# Altium PCB Copy of PCB1.PcbDoc (part 1 of 3) (continued)
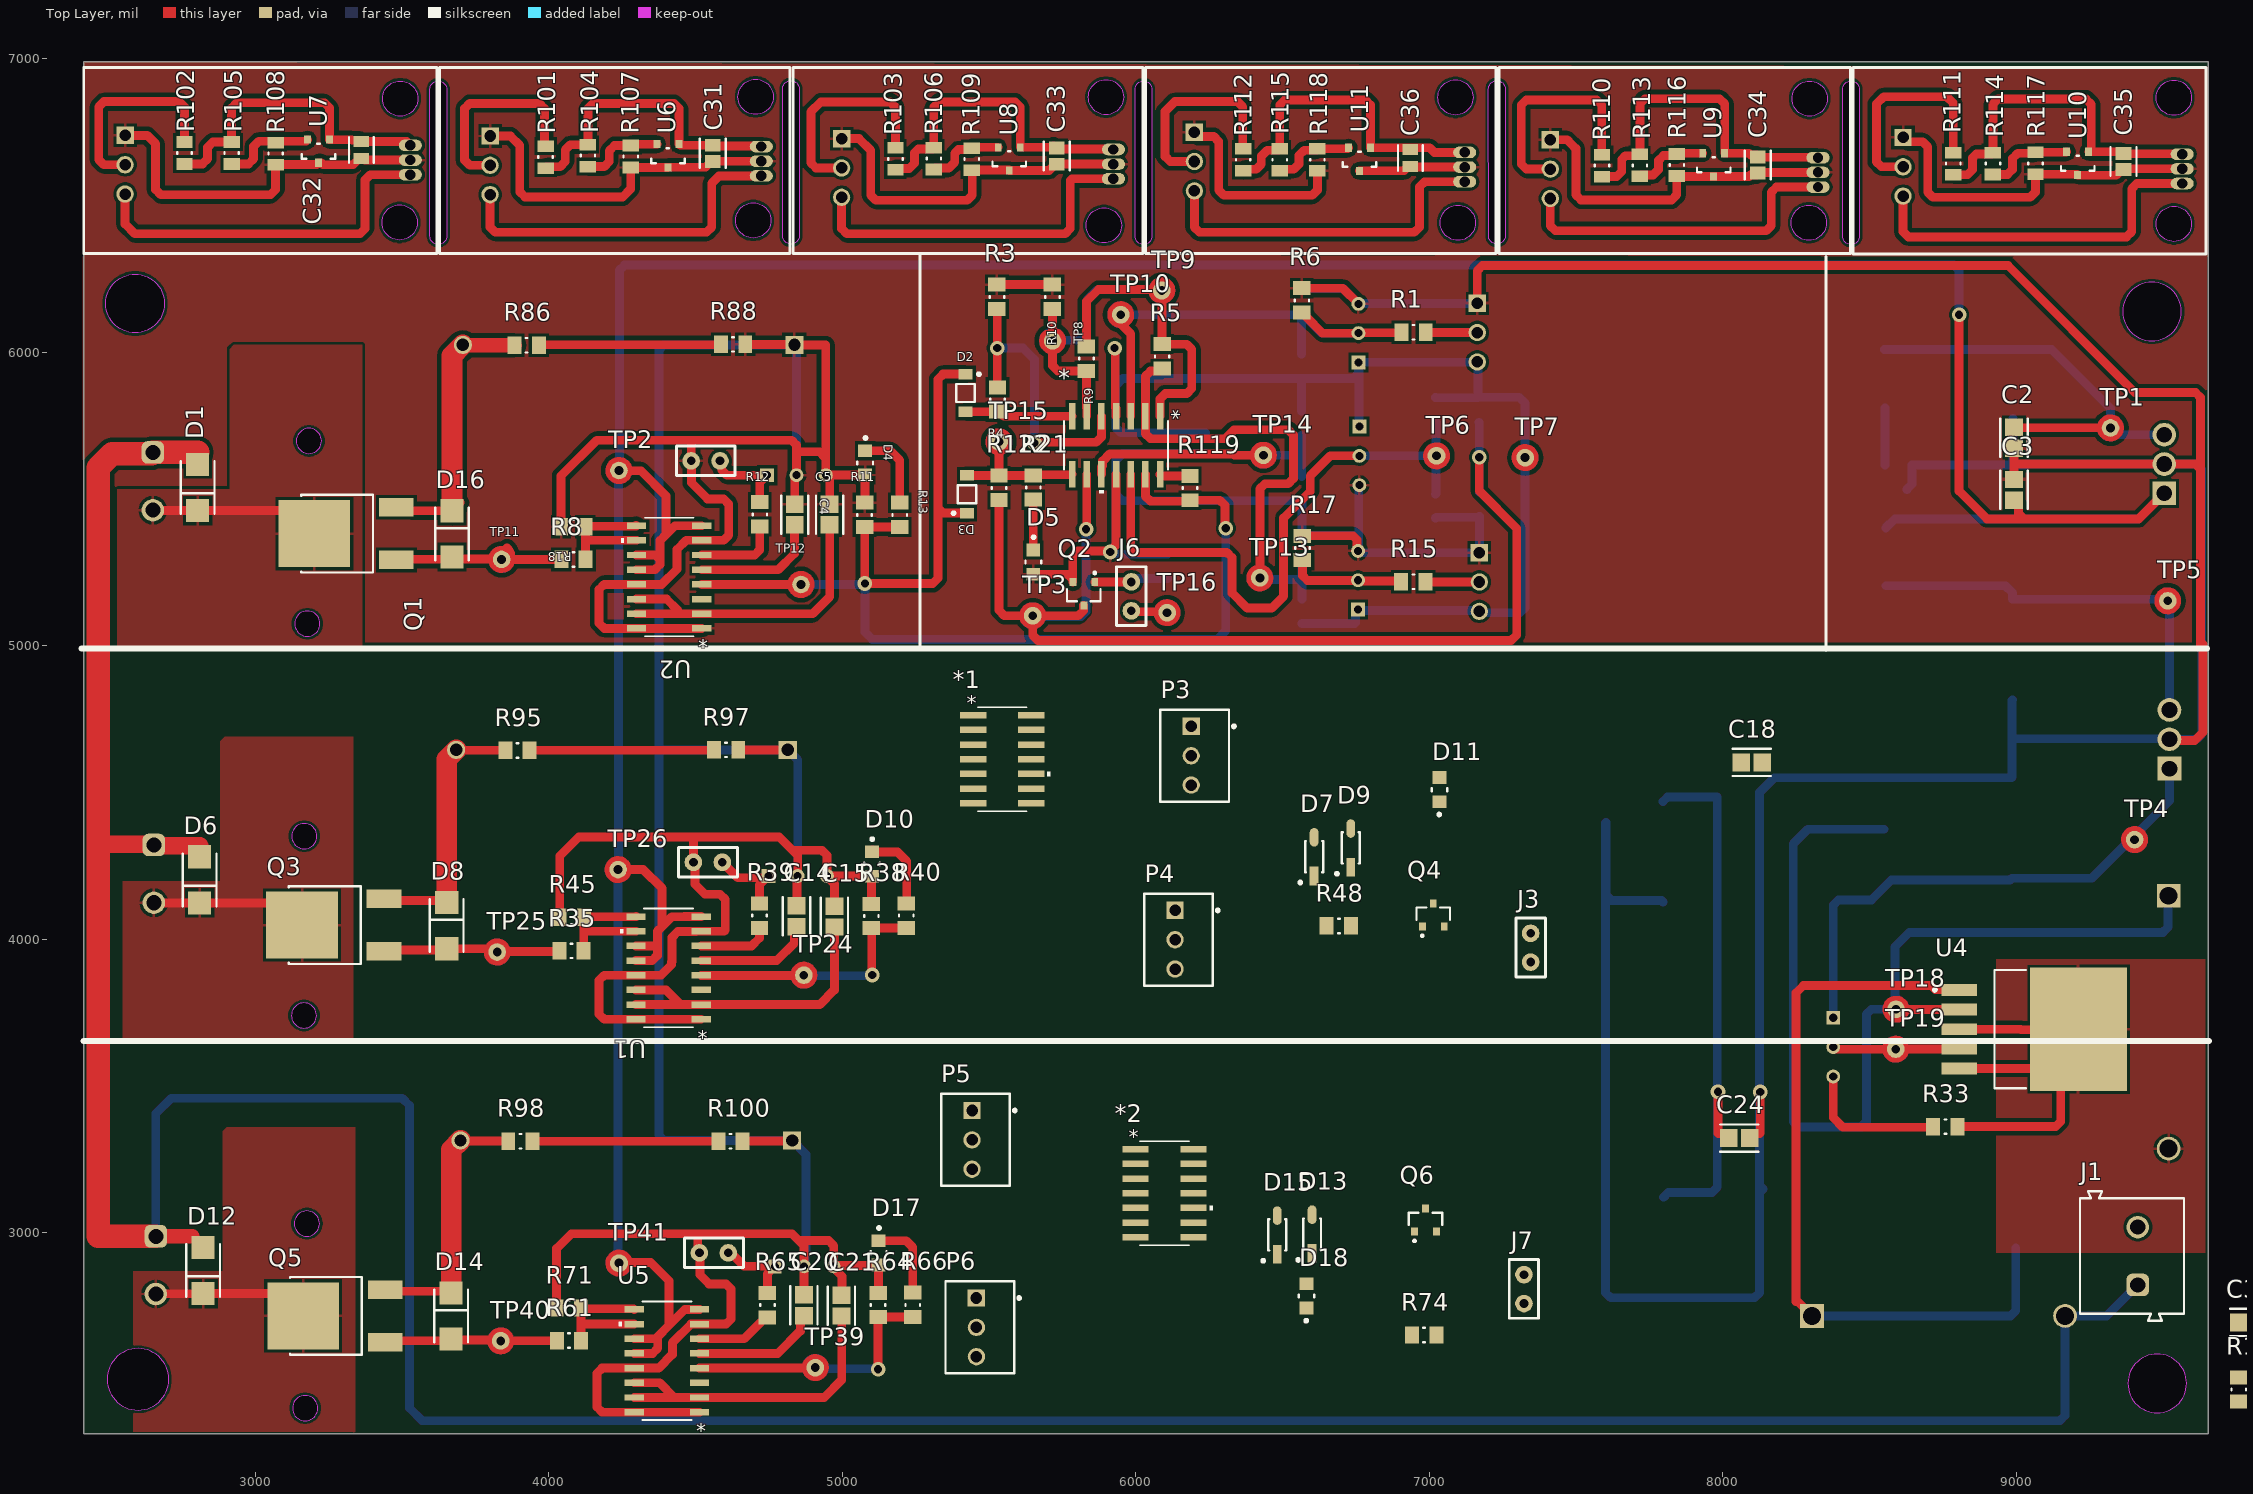
[diagram p0: Top Layer view]
## Components (designator, comment, footprint, x,y, rotation, side; value= is the part's Value field where it differs from the comment) (continued)
R60 "47k" Vishay_CRCW0805-e3_IPC_A 19538,4773 r0 top
R61 "100" Vishay_CRCW0805-e3_IPC_A 4068.63,2632 r0 top
R62 "10k" Vishay_CRCW0805-e3_IPC_A 19306,4769 r0 top
R63 "1k" Vishay_CRCW0805-e3_IPC_A 18315.37,4725 r0 top
R64 "100k" Vishay_CRCW0805-e3_IPC_A 5122,2753 r90 top
R65 "1k" Vishay_CRCW0805-e3_IPC_A 4745,2752.37 r90 top
R66 "1k" Vishay_CRCW0805-e3_IPC_A 5240,2754 r270 top
R67 "10k" Vishay_CRCW0805-e3_IPC_A 19065,4738 r0 top
R68 "50k" Vishay_CRCW0805-e3_IPC_A 18835,4738 r0 top
R69 "47k" Vishay_CRCW0805-e3_IPC_A 18605,4738 r0 top
R70 "50k" Vishay_CRCW0805-e3_IPC_A 18063,4708 r0 top
R71 "50k" Vishay_CRCW0805-e3_IPC_A 4067.63,2743 r0 top
R72 "9.1k" Vishay_CRCW0805-e3_IPC_A 17820,4696 r0 top
R73 "47k" Vishay_CRCW0805-e3_IPC_A 23362,5045 r0 top
R74 "1k" Vishay_CRCW0805-e3_IPC_A 6983,2651 r0 top
R75 "10k" Vishay_CRCW0805-e3_IPC_A 20634,4751 r0 top
R76 "1k" Vishay_CRCW0805-e3_IPC_A 22678,5042 r0 top
R77 "1k" Vishay_CRCW0805-e3_IPC_A 23132,5052 r0 top
R78 "51k" Vishay_CRCW0805-e3_IPC_A 22902,5052 r0 top
R79 "10k" Vishay_CRCW0805-e3_IPC_A 20397.37,4732 r0 top
R80 "51k" Vishay_CRCW0805-e3_IPC_A 21365,5504 r0 top
R81 "51k" Vishay_CRCW0805-e3_IPC_A 21138,5504 r0 top
R82 "51k" Vishay_CRCW0805-e3_IPC_A 20908,5504 r0 top
R83 "10k" Vishay_CRCW0805-e3_IPC_A 20140,5504 r0 top
R84 "10k" Vishay_CRCW0805-e3_IPC_A 20370,5504 r0 top
R85 "10k" Vishay_CRCW0805-e3_IPC_A 20600,5504 r0 top
R86 "10k" Vishay_CRCW0805-e3_IPC_A 3924.37,6024 r180 top
R87 "0.1ohm" RES_TUM5_OHM 4837,6025 r180 bottom
R88 "10k" Vishay_CRCW0805-e3_IPC_A 4628,6027 r0 top
R89 "33k" Vishay_CRCW0805-e3_IPC_A 22389,5490 r0 top
R90 "33k" Vishay_CRCW0805-e3_IPC_A 22619,5490 r0 top
R91 "51k" Vishay_CRCW0805-e3_IPC_A 22849,5490 r0 top
R92 "1k" Vishay_CRCW0805-e3_IPC_A 25405,2748 r0 top
R93 "1k" Vishay_CRCW0805-e3_IPC_A 25489,3092 r0 top
R94 "1k" Vishay_CRCW0805-e3_IPC_A 25615,3380 r0 top
R95 "10k" Vishay_CRCW0805-e3_IPC_A 3893.37,4643 r180 top
R96 "0.1ohm" RES_TUM5_OHM 4814,4645 r180 bottom
R97 "10k" Vishay_CRCW0805-e3_IPC_A 4604,4645 r0 top
R98 "10k" Vishay_CRCW0805-e3_IPC_A 3903,3311 r180 top
R99 "0.1ohm" RES_TUM5_OHM 4829,3314 r180 bottom
R100 "10k" Vishay_CRCW0805-e3_IPC_A 4619,3311 r0 top
R101 "100" Vishay_CRCW0805-e3_IPC_B 3989,6665 r90 top
R102 "100" Vishay_CRCW0805-e3_IPC_B 2758,6679 r90 top
R103 "100" Vishay_CRCW0805-e3_IPC_B 5181,6659 r90 top
R104 "100" Vishay_CRCW0805-e3_IPC_B 4133,6670 r270 top
R105 "100" Vishay_CRCW0805-e3_IPC_B 2919,6679 r270 top
R106 "100" Vishay_CRCW0805-e3_IPC_B 5312,6660 r270 top
R107 "100" Vishay_CRCW0805-e3_IPC_B 4279,6667 r270 top
R108 "100" Vishay_CRCW0805-e3_IPC_B 3069,6677 r270 top
R109 "100" Vishay_CRCW0805-e3_IPC_B 5441,6658 r270 top
R110 "100" Vishay_CRCW0805-e3_IPC_B 7589,6636 r90 top
R111 "100" Vishay_CRCW0805-e3_IPC_B 8786,6642.44 r90 top
R112 "100" Vishay_CRCW0805-e3_IPC_B 6366,6656 r90 top
R113 "100" Vishay_CRCW0805-e3_IPC_B 7718,6637 r270 top
R114 "100" Vishay_CRCW0805-e3_IPC_B 8921,6643 r270 top
R115 "100" Vishay_CRCW0805-e3_IPC_B 6491,6656 r270 top
R116 "100" Vishay_CRCW0805-e3_IPC_B 7844,6638 r270 top
R117 "100" Vishay_CRCW0805-e3_IPC_B 9066,6644 r270 top
R118 "100" Vishay_CRCW0805-e3_IPC_B 6619,6656 r270 top
R119 "100k" Vishay_CRCW0805-e3_IPC_A 6185,5537 r270 top
R120 "100k" Vishay_CRCW0805-e3_IPC_A 10019,2465 r90 top
R121 "100k" Vishay_CRCW0805-e3_IPC_A 9759,2465 r90 top
R122 "100k" Vishay_CRCW0805-e3_IPC_A 5534,5538 r270 top
R123 "100k" Vishay_CRCW0805-e3_IPC_A 9846,1970.63 r90 top
R124 "100k" Vishay_CRCW0805-e3_IPC_A 9536,1970 r90 top
RG1 "Reg_Fairchild_LM7805CT_eec" Fairchild_LM7805CT_0 9526.26,5619 r0 bottom
RP1 "10k" Bourns_3296W_MFG 6759.2,6065 r180 bottom
RP2 "10k" Bourns_3296W_MFG 6758,5223 r180 bottom
RP3 "10k" Bourns_3296W_MFG 4844,5580.8 r90 bottom
RP4 "10k" Bourns_3296W_MFG 6761.8,5647 r0 bottom
RP5 "50k" Bourns_3296W_MFG 8376.8,3632 r0 bottom
RP6 "10k" Bourns_3296W_MFG 14261,1881 r0 top
RP7 "10k" Bourns_3296W_MFG 13593,1881 r0 top
RP8 "10k" Bourns_3296W_MFG 4848,4215 r90 bottom
RP9 "10k" Bourns_3296W_MFG 13332,1881 r0 top
RP10 "10k" Bourns_3296W_MFG 13052,1881 r0 top
RP11 "10k" Bourns_3296W_MFG 12525,2179.8 r90 top
RP12 "10k" Bourns_3296W_MFG 4870,2884.8 r90 bottom
RP13 "10k" Bourns_3296W_MFG 11933,2170.8 r90 top
TP1 "Test_Point_PCB" Test_Point#1 9322,5742 r180 top
TP2 "Test_Point_PCB" Test_Point#1 4239,5597 r0 top
TP3 "Test_Point_PCB" Test_Point#2 5649,5102 r0 top
TP4 "Test_Point_PCB" Test_Point#2 9404,4339 r0 top
TP5 "Test_Point_PCB" Test_Point#3 9517,5153 r0 top
TP6 "Test_Point_PCB" Test_Point#4 7025,5647 r0 top
TP7 "Test_Point_PCB" Test_Point#5 7327,5641 r0 top
TP8 "Test_Point_PCB" Test_Point#6 5716.63,6038.99 r90 top
TP9 "Test_Point_PCB" Test_Point#7 6089,6210.5 r0 top
TP10 "Test_Point_PCB" Test_Point#8 5949,6128 r90 top
TP11 "Test_Point_PCB" Test_Point#9 3839,5294 r180 top
TP12 "Test_Point_PCB" Test_Point#10 4859.29,5208.5 r90 top
TP13 "Test_Point_PCB" Test_Point#2 6423,5231 r90 top
TP14 "Test_Point_PCB" Test_Point#8 6435,5649 r90 top
TP15 "Test_Point_PCB" Test_Point#11 5534,5695 r90 top
TP16 "Test_Point_PCB" Test_Point#12 6107,5112.5 r0 top
TP17 "Test_Point_PCB" Test_Point#13 11434,3397 r90 top
TP18 "Test_Point_PCB" Test_Point#14 8591,3761 r270 top
TP19 "Test_Point_PCB" Test_Point#15 8590,3625 r270 top
TP20 "Test_Point_PCB" Test_Point#13 15267,4440 r90 top
TP21 "Test_Point_PCB" Test_Point#13 12301,4909 r90 top
TP22 "Test_Point_PCB" Test_Point#13 12773,4916 r90 top
TP23 "Test_Point_PCB" Test_Point#13 12992,5162 r90 top
TP24 "Test_Point_PCB" Test_Point#16 4869,3877 r90 top
TP25 "Test_Point_PCB" Test_Point#2 3824,3956 r90 top
TP26 "Test_Point_PCB" Test_Point#17 4236,4237 r90 top
TP27 "Test_Point_PCB" Test_Point#13 12600,5135 r90 top
TP28 "Test_Point_PCB" Test_Point#13 13164,4909 r90 top
TP29 "Test_Point_PCB" Test_Point#13 13324,5135 r90 top
TP30 "Test_Point_PCB" Test_Point#13 13457,4929 r90 top
TP31 "Test_Point_PCB" Test_Point#13 13689,5135 r90 top
TP32 "Test_Point_PCB" Test_Point#13 13809,4943 r90 top
TP33 "Test_Point_PCB" Test_Point#13 14054,5148 r90 top
TP34 "Test_Point_PCB" Test_Point#13 11754,5243 r90 top
TP35 "Test_Point_PCB" Test_Point#13 12226,5243 r90 top
TP36 "Test_Point_PCB" Test_Point#13 11874,4984 r90 top
TP37 "Test_Point_PCB" Test_Point#13 11482,4978 r90 top
TP38 "Test_Point_PCB" Test_Point#13 11230,5316 r90 top
TP39 "Test_Point_PCB" Test_Point#18 4908,2540 r90 top
TP40 "Test_Point_PCB" Test_Point#19 3836,2631 r90 top
TP41 "Test_Point_PCB" Test_Point#18 4239,2896 r90 top
TP42 "Test_Point_PCB" Test_Point#13 12835,4379 r90 top
TP43 "Test_Point_PCB" Test_Point#13 13299,4286 r90 top
TP44 "Test_Point_PCB" Test_Point#13 13784,4306 r90 top
TP45 "Test_Point_PCB" Test_Point#13 12137,4353 r90 top
TP46 "Test_Point_PCB" Test_Point#13 11253,3126 r90 top
TP47 "Test_Point_PCB" Test_Point#13 12489,4320 r90 top
TP48 "Test_Point_PCB" Test_Point#13 11407,4320 r90 top
U1 "TL494ID" D16-M 4408,3902 r180 top
U2 "TL494ID" D16-M 4410,5234 r180 top
U3 "LM7812CT" Fairchild_LM7805CT_0 9544,4681 r0 bottom
U4 "LM2576" ON_Semiconductor_936A-02_MFG 9062,3693 r270 top
U5 "TL494ID" D16-M 4402.25,2563 r180 top
U6 "IC_Nexperia_TL431AQDBZR,215_eec" Nexperia_TL431AQDBZR,215_0 4405.6,6669.63 r180 top
U7 "IC_Nexperia_TL431AQDBZR,215_eec" Nexperia_TL431AQDBZR,215_0 3215,6685 r180 top
U8 "IC_Nexperia_TL431AQDBZR,215_eec" Nexperia_TL431AQDBZR,215_0 5569,6659 r180 top
U9 "IC_Nexperia_TL431AQDBZR,215_eec" Nexperia_TL431AQDBZR,215_0 7969.6,6638.63 r180 top
U10 "IC_Nexperia_TL431AQDBZR,215_eec" Nexperia_TL431AQDBZR,215_0 9210,6644 r180 top
U11 "IC_Nexperia_TL431AQDBZR,215_eec" Nexperia_TL431AQDBZR,215_0 6762.6,6657.63 r180 top
Z1 "MM3Z5V1ST1G" SOD2512X110N 8598.24,5616 r0 bottom

## Footprints (in the part's own frame and the unit in brackets; to place one, negate y for a bottom-side part, rotate by r counter-clockwise, add the part's x,y. Pads: shape width x height; smd on the part's side, far side on the other; paste and mask are expansions set on the pad)
61900311121 [mm] "2.54mm Male Locking Header, 3p"
  rect 1.5x1.5 hole 1: 1(2.54,0.3)
  round 1.5 hole 1: 2(0,0.3) 3(-2.54,0.3)
  silkscreen extent -3.98,-3.52 3.98,2.98, body extent -3.81,-2.9 3.81,2.9, height 11.53
61900811121 [mm] "2.54mm Male Locking Header, 8p"
  rect 1.5x1.5 hole 1: 1(8.89,0.3)
  round 1.5 hole 1: 2(6.35,0.3) 3(3.81,0.3) 4(1.27,0.3) 5(-1.27,0.3) 6(-3.81,0.3) 7(-6.35,0.3) 8(-8.89,0.3)
  silkscreen extent -10.33,-3.52 10.33,2.98, body extent -10.16,-2.9 10.16,2.9, height 11.53
691101710002 [mm] "5,00mm - modular - blue - Horizontal entry with pressure clamp - 12,6mm height - 02p"
  rrect50% 1.95x1.95 hole 1.3: 1(-2.5,-0.5)
  round 1.95 hole 1.3: 2(2.5,-0.5)
  silkscreen extent -5.6,-4.5 5.6,4.5, body extent -5.6,-4.5 5.6,4.5, height 12.65
BC847B215 [mm]
  rect 0.6x0.7 smd: 1(-0.95,-1) 2(0.95,-1) 3(0,1)
  silkscreen extent -1.45,-1.9 1.45,0.65, body extent -1.45,-1.2 1.45,1.2, height 0.95
Bourns_3296W_MFG [mm]
  rect 1.2x1.2 hole 0.7 paste-1000 mask+0: 1(0.005,-2.54)
  round 1.2 hole 0.7 paste-1000 mask+0: 2(0.005,0) 3(0.005,2.54)
  silkscreen extent -2.48,-4.89 2.48,4.89, body extent -2.41,-4.76 2.42,4.77, height 12.05
D14-M [mm]
  rect 2.27x0.558 smd paste+0 mask+0: 1(-2.514,3.81) 2(-2.514,2.54) 3(-2.514,1.27) 4(-2.514,0) 5(-2.514,-1.27) 6(-2.514,-2.54) 7(-2.514,-3.81) 8(2.514,-3.81) 9(2.514,-2.54) 10(2.514,-1.27) 11(2.514,0) 12(2.514,1.27) 13(2.514,2.54) 14(2.514,3.81)
  silkscreen extent -2.12,-4.5 4.16,4.5, body extent -3.1,-4.37 3.1,4.37, height 1.76
D16-M [mil]
  rect 65.5x22 smd paste+0 mask+0: 1(-111.25,175) 2(-111.25,125) 3(-111.25,75) 4(-111.25,25) 5(-111.25,-25) 6(-111.25,-75) 7(-111.25,-125) 8(-111.25,-175) 9(111.25,-175) 10(111.25,-125) 11(111.25,-75) 12(111.25,-25) 13(111.25,25) 14(111.25,75) 15(111.25,125) 16(111.25,175)
  silkscreen extent -84,-202 164,202, body extent -122,-197 122,197, height 69
DO-201AD_STM [mil]
  rect 81x81 hole 61 mask+0: 1(0,0)
  round 81 hole 61 mask+0: 2(862,0)
  silkscreen extent -151,-110 623,109, body extent -26,-105 887,105, height 209
EEEFK1V331P [mm]
  rect 2x4.1 smd: 1(0,-4.35) 2(0,4.35)
  silkscreen extent -5.15,-7 5.15,5.15, body extent -5.15,-5.85 5.15,5.85, height 10.3
Fairchild_LM7805CT_0 [mm]
  rect 2.05x2.05 hole 1.35 paste-1000 mask+0: 1(-0.54,2.535)
  round 2.05 hole 1.35 paste-1000 mask+0: 2(-0.54,0) 3(-0.54,-2.54)
  silkscreen extent -2.18,-5.08 2.18,5.7, body extent -2.1,-5.09 2.11,5.07, height 21.88
Jumper_2.54 [mil]
  round 60 hole 30: 1(0,0) 2(98.43,0)
  silkscreen extent -50,-50 150,50
KEMET_C0805C-DN_IPC_A [mil]
  rect 59.24x61.27 smd paste+0 mask+0: 1(-35.46,0) 2(35.46,0)
  silkscreen extent -65,-46 65,46, body extent -39,-25 39,25, height 35
KEMET_C0805C-DN_IPC_C [mil]
  rect 43.49x53.39 smd paste+0 mask+0: 1(-27.59,0) 2(27.59,0)
  silkscreen extent -49,-44 49,44, body extent -53,-32 53,32, height 10
KEMET_C0805C-DN_MFG [mm]
  rect 0.95x1.35 smd paste+0 mask+0: 1(-0.75,0) 2(0.75,0)
  silkscreen extent -1.1,-1.07 1.1,1.07, body extent -1.4,-0.85 1.4,0.85, height 0.25
Nexperia_TL431AQDBZR,215_0 [mm]
  rect 0.6x0.7 smd paste-1000 mask+0: 1(-0.95,-1) 2(0.95,-1) 3(0,1)
  silkscreen extent -1.45,-0.65 1.45,0.65, body extent -1.6,-1.45 1.6,1.45, height 0.25
ON_Semi_403D_MFG [mm]
  rect 2x2 smd paste+0 mask+0: 1(-2,0) 2(2,0)
  silkscreen extent -2.28,-1.46 2.28,1.46, body extent -3.1,-1.56 3.1,1.56, height 0.25
On_Semiconductor_369C_MFG [mm]
  rect 1.6x3 smd paste+0 mask+0: 1(-2.285,-4.3) 3(2.285,-4.3)
  rect 5.8x6.2 smd paste+0 mask+0: 4(0,2.79)
  silkscreen extent -3.36,-2.28 3.36,3.94, body extent -3.46,-5.9 3.46,5.99, height 0.25
ON_Semiconductor_936A-02_MFG [mm]
  rect 1.016x3.05 smd paste+0 mask+0: 1(-3.404,-6.485) 2(-1.702,-6.485) 3(0,-6.485) 4(1.702,-6.485) 5(3.404,-6.485)
  rect 10.66x8.38 smd paste+0 mask+0: 6(0,3.82)
  silkscreen extent -5.12,-8.72 5.12,-0.75, body extent -5.43,-8.11 5.43,8.11, height 0.25
ONSC-SOD-123-2-425-04_V [mm] "SOD, 2-Leads, Body 2.69x1.6mm"
  rect 0.91x1.22 smd: 1(-1.635,0) 2(1.635,0)
  silkscreen extent -1.76,-0.8 0.78,1.29, body extent -1.35,-0.8 1.35,0.8, height 1.35
RES_TUM5_OHM [mil]
  rect 62x62 hole 42 mask+0: 1(0,0)
  round 62 hole 42 mask+0: 2(1130,0)
  silkscreen extent 125,-200 1005,200, body extent -16,-195 1146,195, height 390
SOD2512X110N [mm]
  rect 1x0.5 smd: 1(-1.2,0) 2(1.2,0)
  silkscreen extent -1.7,-0.62 0.85,0.62, body extent -1.25,-0.63 1.25,0.63, height 1.1
Test_Point#1 [mil]
  round 60 hole 30: 1(0,0)
  Top Layer lines w10: 0,0 0,-15
  Top Layer lines w30: 30.93,0 cw(c0,0) 30.91,-1 cw(c0,0) 27.04,-15 cw(c0,0) 30.93,0
  Bottom Layer lines w30: 30.9,0 ccw(c0,0) -25.53,17.41 ccw(c0,0) -30.9,0 ccw(c0,0) 0,-30.9 ccw(c0,0) 30.9,-0.22
Test_Point#2 [mil]
  round 60 hole 30: 1(0,0)
  Top Layer lines w10: 0,-15 0,0
  Top Layer lines w30: -30.93,0 ccw(c0,0) 0,-30.93 ccw(c0,0) 30.93,0 ccw(c0,0) -30.93,0
  Bottom Layer lines w30: 30.9,-0.22 cw(c0,0) 30.76,-3 cw(c0,0) 30.9,0
Test_Point#3 [mil]
  round 60 hole 30: 1(0,0)
  Top Layer circle w30: c0,0 r30.93
  Top Layer lines w10: 0,-15 0,0
  Bottom Layer lines w30: 30.9,-0.22 cw(c0,0) -21.85,-21.85 cw(c0,0) 30.9,0
Test_Point#4 [mil]
  round 60 hole 30: 1(0,0)
  Top Layer circle w30: c0,0 r30.93
  Top Layer lines w10: 0,-15 0,0
  Bottom Layer lines w30: 30.9,-0.22 cw(c0,0) -1.5,-30.87 cw(c0,0) -30.9,0 cw(c0,0) -30.9,0.5 cw(c0,0) -1.5,30.87 cw(c0,0) 30.9,0
Test_Point#5 [mil]
  round 60 hole 30: 1(0,0)
  Top Layer circle w30: c0,0 r30.93
  Top Layer lines w10: 0,-15 0,0
  Bottom Layer lines w30: 30.9,-0.22 cw(c0,0) 0,-30.9 cw(c0,0) 0,30.9 cw(c0,0) 30.9,0
Test_Point#6 [mil]
  round 60 hole 30: 1(0,0)
  Top Layer lines w30: 0,0 0.1,0 2.07,0 3.37,0 4.74,0 ; 25.9,-16.9 cw(c0,0) 25.5,-17.5 ; 25.5,-17.5 cw(c0,0) 25,-18.2 cw(c0,0) 24.4,-19 cw(c0,0) 21.87,-21.87 cw(c0,0) 20,-23.59 cw(c0,0) 0.31,-30.92 cw(c0,0) 0,-30.93 cw(c0,0) -15,-27.04 cw(c0,0) -21.87,-21.87 ; 0,30.93 ccw(c0,0) -1.37,30.9 ; 0,30.93 ccw(c0,0) -1.37,30.9 ; 0,30.93 cw(c0,0) 1.31,30.9 ; 0,30.93 cw(c0,0) 1.31,30.9 ; -1.37,30.9 ccw(c0,0) -15,27.04 ccw(c0,0) -21.87,21.87 ccw(c0,0) -30.93,0 ccw(c0,0) -23.53,-20.07 ccw(c0,0) -21.88,-21.85 ; 1.31,30.9 cw(c0,0) 10.36,29.14 ; 1.31,30.9 cw(c0,0) 10.36,29.14 ; 10.36,29.14 cw(c0,0) 14.99,27.05 ; 10.36,29.14 cw(c0,0) 14.99,27.05 ; 10.36,29.14 cw(c0,0) 15,27.05 ; 10.36,29.14 cw(c0,0) 15,27.05 ; 15,27.04 cw(c0,0) 21.87,21.87 ccw(c0,0) 15,27.04 ; 15,27.05 ccw(c0,0) 14.99,27.05 ; 15,27.05 ccw(c0,0) 14.99,27.05 ; 7.04,6.95 cw(c-12.98,3.71) 7.02,0.31 ; 7.04,6.95 cw(c-12.98,3.71) 7.02,0.31 ; 7.04,6.95 ccw(c-12.98,3.71) 1.36,18.05 cw(c-12.98,3.71) 7.04,6.95 ; 7.02,0.31 cw(c-12.98,3.71) 6.96,0 ; 7.02,0.31 cw(c-12.98,3.71) 6.96,0 ; 4.74,0 6.96,0 ; 4.74,0 6.96,0 ; 6.96,0 cw(c-12.98,3.71) 6.77,-0.92 ; 6.96,0 cw(c-12.98,3.71) 6.77,-0.92 ; 6.96,0 6.96,0 ; 6.96,0 6.96,0 ; 6.96,0 6.96,0 ; 6.96,0 6.96,0 ; 6.96,0 6.96,0 ; 6.96,0 6.96,0 ; 6.96,0 6.96,0 ; 6.96,0 6.96,0 ; 6.96,0 6.96,0 ; 6.96,0 6.96,0 ; 6.96,0 6.96,0 ; 6.96,0 6.96,0 ; 6.96,0 6.96,0 ; 6.96,0 6.96,0 ; 6.96,0 8,0 6.96,0 ; 6.96,0 6.96,0 ; 6.96,0 6.96,0 ; 6.77,-0.92 cw(c-12.98,3.71) 6.21,-2.85 ; 6.77,-0.92 cw(c-12.98,3.71) 6.21,-2.85 ; 6.21,-2.85 cw(c-12.98,3.71) 4.01,-7.37 ccw(c-12.98,3.71) 6.21,-2.85 ; -21.88,-21.85 ccw(c0,0) -21.87,-21.87 ; 8.99,-8.25 ccw(c-18.26,-20.79) 8.99,-8.25
  Bottom Layer lines w30: -21.85,21.85 cw(c0,0) -4,30.64 cw(c0,0) -1.37,30.87 cw(c0,0) 0,30.9 cw(c0,0) 10.91,28.91 cw(c0,0) 15,27.02 ; -21.85,21.85 ccw(c0,0) -22,21.7 ; -22,21.7 ccw(c0,0) -30.9,0 ccw(c0,0) -22.21,-21.49 ccw(c0,0) -22,-21.7 ccw(c0,0) -21.85,-21.85 ; 30.9,-0.22 cw(c0,0) 21.85,-21.85 cw(c0,0) 21.83,-21.88 cw(c0,0) 15,-27.02 cw(c0,0) 1.77,-30.85 cw(c0,0) -21.83,-21.88 ; 15,27.02 cw(c0,0) 30.9,0 ; 15,27.02 cw(c0,0) 30.9,0 ; 15,27.02 cw(c0,0) 30.9,0 ; 15,27.02 cw(c0,0) 30.9,0 ; -21.85,-21.85 ccw(c0,0) -21.83,-21.88
Test_Point#7 [mil]
  round 60 hole 30: 1(0,0)
  Top Layer lines w10: 0,-15 0,-11.5 0,0
  Top Layer lines w30: -30.93,0 cw(c0,0) -30.73,3.5 cw(c0,0) 30.93,0 cw(c0,0) 4,-30.67 cw(c0,0) 1,-30.91 cw(c0,0) 0.5,-30.92 cw(c0,0) 0,-30.93 cw(c0,0) -21.87,-21.87 cw(c0,0) -30.93,0
  Bottom Layer lines w30: 30.9,-0.22 cw(c0,0) -30.8,2.5 cw(c0,0) 30.9,0
Test_Point#8 [mil]
  round 60 hole 30: 1(0,0)
  Top Layer lines w10: 0,0 0,-15
  Top Layer lines w30: -30.93,0 cw(c0,0) 0,-30.93 cw(c0,0) -30.93,0
  Bottom Layer lines w30: 30.9,0 ccw(c0,0) 0,-30.9 ccw(c0,0) 30.9,-0.22
Test_Point#9 [mil]
  round 60 hole 30: 1(0,0)
  Top Layer lines w10: 0,0 0,-15
  Top Layer lines w30: 0,-30.93 ccw(c0,0) 21.87,-21.87 ccw(c0,0) 28,-13.13 ccw(c0,0) 30.88,-1.63 ccw(c0,0) 30.93,0 ccw(c0,0) 28,13.13 ccw(c0,0) 22.7,21 ccw(c0,0) -19.87,23.7 ccw(c0,0) -20.2,23.42 ccw(c0,0) -21.87,21.87 ccw(c0,0) -22.08,21.65 ; -27.87,13.29 ccw(c13.87,-6.12) -27.88,13.27 ccw(c13.87,-6.12) -27.98,13.04 ccw(c13.87,-6.12) -28,13 ccw(c13.87,-6.12) -31.53,1.44 ccw(c13.87,-6.12) -31.75,0 ccw(c13.87,-6.12) -31.83,-0.6 ccw(c13.87,-6.12) -31.93,-1.5 ccw(c13.87,-6.12) -32.06,-3.06 ccw(c13.87,-6.12) -28.07,-25.07 ccw(c13.87,-6.12) -28,-25.24 ccw(c13.87,-6.12) -24.9,-30.93 ; -28.04,13.04 cw(c0,0) -28,13.13 cw(c0,0) -27.92,13.29 cw(c0,0) -27.88,13.38 cw(c0,0) -25.96,16.8 cw(c0,0) -22.7,21 ; -18.68,-38.66 cw(c13.87,-6.12) -24.9,-30.93 ; -18.68,-38.66 cw(c13.87,-6.12) -24.9,-30.93 ; -18.68,-38.66 cw(c13.87,-6.12) -24.9,-30.93 ; -18.68,-38.66 cw(c13.87,-6.12) -24.9,-30.93 ; -18.68,-38.66 cw(c3.19,-16.79) -24.32,-30.93 ; -18.68,-38.66 cw(c3.19,-16.79) -24.32,-30.93 ; -18.68,-38.66 cw(c3.19,-16.79) -24.32,-30.93 ; -18.68,-38.66 cw(c3.19,-16.79) -24.32,-30.93 ; -22.08,21.65 ccw(c0,0) -22.09,21.64 ; -22.09,21.64 ccw(c0,0) -22.19,21.55 ; -22.15,21.64 ccw(c41.72,-8.06) -22.2,21.53 ; -22.15,21.64 ccw(c41.72,-8.06) -22.2,21.53 ; -22.15,21.64 ccw(c41.72,-8.06) -22.2,21.53 ; -22.15,21.64 ccw(c41.72,-8.06) -22.2,21.53 ; -22.2,21.53 ccw(c41.72,-8.06) -22.38,21.14 ; -22.2,21.53 ccw(c41.72,-8.06) -22.38,21.14 ; -22.2,21.53 ccw(c41.72,-8.06) -22.38,21.14 ; -22.19,21.54 ccw(c0,0) -22.2,21.53 ; -22.19,21.54 ccw(c0,0) -22.2,21.53 ; -22.19,21.54 ccw(c0,0) -22.2,21.53 ; -22.19,21.54 ccw(c0,0) -22.2,21.53 ; -22.2,21.53 ccw(c41.72,-8.06) -22.38,21.14 ; -22.2,21.53 ccw(c0,0) -22.7,21 ; -22.2,21.53 ccw(c0,0) -22.7,21 ; -22.2,21.53 ccw(c0,0) -22.7,21 ; -22.2,21.53 ccw(c0,0) -22.7,21 ; -22.19,21.55 ccw(c0,0) -22.19,21.54 ; -22.38,21.14 ccw(c41.72,-8.06) -23.02,19.7 ccw(c41.72,-8.06) -23.54,18.43 ccw(c41.72,-8.06) -25.02,14.46 ccw(c41.72,-8.06) -25.48,13.04 ccw(c41.72,-8.06) -28,1.95 ccw(c41.72,-8.06) -28.07,1.44 ccw(c41.72,-8.06) -28.25,0 ccw(c41.72,-8.06) -28.41,-1.5 ccw(c41.72,-8.06) -28,-18.07 ccw(c41.72,-8.06) -26.97,-23.64 ccw(c3.19,-16.79) -24.32,-30.93
  Bottom Layer lines w30: 30.9,0 ccw(c0,0) 15,27.02 ccw(c0,0) 0,30.9 ccw(c0,0) -22.67,21 ccw(c0,0) -30.9,0 ccw(c0,0) -30.13,-6.87 ccw(c0,0) -25.88,-16.88 ccw(c0,0) -21.85,-21.85 ccw(c0,0) -15.03,-27 ccw(c0,0) 15,-27.02 ccw(c0,0) 30.9,-0.22
Test_Point#10 [mil]
  round 60 hole 30: 1(0,0)
  Top Layer lines w10: 0,0 0,-0.57 0,-9 0,-15
  Top Layer lines w30: 12.02,28.5 cw(c0,0) 15,27.04 cw(c0,0) 24.59,18.75 cw(c0,0) 30.93,0 cw(c0,0) 30.91,-1 cw(c0,0) 21.87,-21.87 cw(c0,0) 21.58,-22.15 cw(c0,0) 16.9,-25.9 cw(c0,0) 15,-27.04 cw(c0,0) 9,-29.59 cw(c0,0) 8,-29.87 cw(c0,0) 7,-30.12 cw(c0,0) 4.65,-30.58 cw(c0,0) 4,-30.67 cw(c0,0) 0,-30.93 cw(c0,0) -30.93,0 cw(c0,0) -12.02,28.5 cw(c0,0) -11,28.9 cw(c0,0) -6,30.34 cw(c0,0) -5,30.52 cw(c0,0) -4,30.67 cw(c0,0) -3.7,30.7 cw(c0,0) 0,30.93 cw(c0,0) 0.5,30.92 cw(c0,0) 2.37,30.84 cw(c0,0) 12,28.5 ; 12.02,28.5 ccw(c0,0) 12,28.5
  Bottom Layer lines w30: 30.9,0 ccw(c0,0) 22,21.7 ccw(c0,0) 15,27.02 ccw(c0,0) 0,30.9 ccw(c0,0) -4.85,30.52 ccw(c0,0) -30.9,0 ccw(c0,0) -30.89,-1 ccw(c0,0) -21.85,-21.85 ccw(c0,0) 0,-30.9 ccw(c0,0) 7,-30.1 ccw(c0,0) 8,-29.85 ccw(c0,0) 9,-29.56 ccw(c0,0) 14,-27.55 ccw(c0,0) 15,-27.02 ccw(c0,0) 21.85,-21.85 ccw(c0,0) 22,-21.7 ccw(c0,0) 30.9,-0.22
Test_Point#11 [mil]
  round 60 hole 30: 1(0,0)
  Top Layer lines w10: 0,0 0,-15
  Top Layer lines w30: -30.93,0 ccw(c0,0) 0,-30.93 ccw(c0,0) -30.93,0
  Bottom Layer lines w30: 30.9,0 ccw(c0,0) 30.9,-0.22
Test_Point#12 [mil]
  round 60 hole 30: 1(0,0)
  Top Layer lines w10: 0,-15 0,0
  Top Layer lines w30: -30.75,3.25 ccw(c0,0) 30.93,0 ccw(c0,0) 0.71,30.92 ccw(c0,0) -30.75,3.25
  Bottom Layer lines w30: 30.9,-0.22 cw(c0,0) 30.9,0
Test_Point#13 [mil]
  round 60 hole 30: 1(0,0)
  Top Layer circle w30: c0,0 r30.93
  Top Layer lines w10: 0,0 0,-15
  Bottom Layer lines w30: 30.9,0 ccw(c0,0) 30.9,-0.22
Test_Point#14 [mil]
  round 60 hole 30: 1(0,0)
  Top Layer lines w10: 0,-15 0,0
  Top Layer lines w30: 0,-30.93 cw(c0,0) -27.04,-15 cw(c0,0) -30,-7.51 cw(c0,0) -30.92,-0.5 cw(c0,0) -30.93,0 cw(c0,0) -28.04,13.04 cw(c0,0) -4.06,30.66 cw(c0,0) 0.5,30.92 cw(c0,0) 21.87,21.87 ; 0,-30.93 ccw(c0,0) 30.92,-0.5 ; 0,-30.93 ccw(c0,0) 30.92,-0.5 ; 30.92,-0.5 ccw(c0,0) 21.87,21.87 ; 30.92,-0.5 ccw(c0,0) 21.87,21.87
  Bottom Layer lines w30: 30.9,0 ccw(c0,0) 21.85,21.85 ccw(c0,0) 0,30.9 ccw(c0,0) -4.04,30.64 ccw(c0,0) -21.85,21.85 ccw(c0,0) -28.02,13.02 ccw(c0,0) -30.9,0 ccw(c0,0) -30.9,-0.5 ccw(c0,0) -27.02,-15 ccw(c0,0) 0,-30.9 ; 0,-30.9 ccw(c0,0) 21.85,-21.85 ; 0,-30.9 ccw(c0,0) 21.85,-21.85 ; 21.85,-21.85 ccw(c0,0) 30.9,-0.22 cw(c0,0) 21.85,-21.85
Test_Point#15 [mil]
  round 60 hole 30: 1(0,0)
  Top Layer lines w10: 0,-15 0,0
  Top Layer lines w30: 0,-30.93 cw(c0,0) -0.5,30.92 cw(c0,0) 0,30.93 cw(c0,0) 1.5,30.89 cw(c0,0) 30.91,1 cw(c0,0) 0,-30.93
  Bottom Layer lines w30: 30.9,-0.22 cw(c0,0) 3.7,30.68 cw(c0,0) 30.9,0
Test_Point#16 [mil]
  round 60 hole 30: 1(0,0)
  Top Layer lines w10: 0,0 0,-15
  Top Layer lines w30: 1,30.91 ccw(c0,0) 0,-30.93 ccw(c0,0) 1,30.91
  Bottom Layer lines w30: 30.9,0 ccw(c0,0) 21.85,21.85 ccw(c0,0) 0,-30.9 ccw(c0,0) 30.9,-0.22
Test_Point#17 [mil]
  round 60 hole 30: 1(0,0)
  Top Layer lines w30: -21.87,-21.87 cw(c0,0) 0,-30.93 cw(c0,0) -21.87,-21.87
  Bottom Layer lines w30: 30.9,0 ccw(c0,0) 0,30.9 ccw(c0,0) -30.9,0 ccw(c0,0) 21.85,-21.85 ccw(c0,0) 28.03,-13 ccw(c0,0) 30.87,-1.5 ccw(c0,0) 30.9,-0.22
Test_Point#18 [mil]
  round 60 hole 30: 1(0,0)
  Top Layer lines w10: 0,0 0,-15
  Top Layer lines w30: -2,30.86 cw(c0,0) 0,-30.93 cw(c0,0) -2,30.86
  Bottom Layer lines w30: 30.9,0 ccw(c0,0) -4,30.64 ccw(c0,0) -4,-30.64 ccw(c0,0) 0,-30.9 ccw(c0,0) 30.9,-0.22
Test_Point#19 [mil]
  round 60 hole 30: 1(0,0)
  Top Layer lines w10: 0,0 0,-15
  Top Layer lines w30: 3.13,30.77 cw(c0,0) 0.5,-30.92 cw(c0,0) 0,-30.93 cw(c0,0) -1.5,-30.89 cw(c0,0) 3.13,30.77
  Bottom Layer lines w30: 30.9,0 ccw(c0,0) 30.9,-0.22
TO-92A [mm] "TO, Flat Index; 3 In-Line, Axial Leads; Body Dia. 4.5mm; Leads 0.51 x 0.48 mm (max)"
  oval 2x1 hole 0.9: 1(0,-1.27) 2(0,0) 3(0,1.27)
  silkscreen extent -2.48,-2.95 1.5,2.48, body extent -2.48,-2.5 1.5,2.5, height 6.86
Vishay_CRCW0805-e3_IPC_A [mil]
  rect 47.5x59.38 smd paste+0 mask+0: 1(-41.37,0) 2(41.37,0)
  silkscreen extent -3,-25 3,25, body extent -85,-49 85,49, height 10
Vishay_CRCW0805-e3_IPC_B [mil]
  rect 39.63x55.44 smd paste+0 mask+0: 1(-37.44,0) 2(37.44,0)
  silkscreen extent -3,-25 3,25, body extent -67,-38 67,38, height 10
Vishay_S8-V-3910_01-001_IPC_A [mil]
  rect 63.27x30.01 smd paste+0 mask+0: 1(-65.97,0)
  rrect100% 63.27x30.01 smd paste+0 mask+0: 2(65.97,0)
  silkscreen extent -93,-31 53,52, body extent -117,-50 117,50, height 10
WE-PD2-L [mm] "SMD Inductor, 2-Leads, Body 7.8 x 7.0 mm"
  rect 3x7.5 smd: 1(-2.5,0) 2(2.5,0)
  silkscreen extent -0.87,-3.5 0.87,3.5, body extent -3.81,-3.5 3.81,3.5, height 4.89
Wurth_Electronics_0_MFG [mm]
  rect 1.1x1.2 smd paste+0 mask+0: 1(-1.05,0) 2(1.05,0)
  silkscreen extent -2.27,-0.67 0.13,0.67, body extent -1.7,-0.77 1.7,0.77, height 0.25

## Part data
C1 C4 C5 C9 C10 C13 C14 C15 C17 C18 C19 C20 C21 C23 C24 C25 C26 C27 C28 C29 C30 C37 C38 C39: library part C0805C104J4RACTU
C2 C3: library part "Cap Pol2", "Polarized Capacitor (Axial)", LatestRevisionDate=17-Jul-2002, LatestRevisionNote="Re-released for DXP Platform.", PackageDescription="Polarized Capacitor; 2 Leads", PackageReference=POLAR0.8, Published=8-Jun-2000, Publisher="Altium Limited"
C6 C7 C8 C11 C12 C16 C22: "Capacitor Polarised", Manufacturer_Name=Panasonic, Datasheet Link=http://industrial.panasonic.com/cdbs/www-data/pdf/RDE0000/ABA0000C1142.pdf, Manufacturer_Part_Number=EEE1HA101AP
C31 C32 C33 C34 C35 C36: library part C0805C104J4RACTU, "100pF"
CR1 CR2: "No Description Available", Mfr_Name=STMicroelectronics, Copyright="Copyright (C) 2022 Ultra Librarian. All rights reserved.", Manufacturer_Part_Number=1N5822RL, RefDes=RefDes, Type=DEV
D4 D5 D10 D11 D17 D18: "Typical RED, GREEN, YELLOW, AMBER GaAs LED", LatestRevisionDate=17-Jul-2002, LatestRevisionNote="Re-released for DXP Platform.", PackageDescription="SM LED; 2 Flat Leads", PackageReference=3.2X1.6X1.1, PackageVersion=Feb-2002, Published=8-Jun-2000, Publisher="Altium Limited"
J1: library part 691101710002, "WR-TBL Series 101 Horizontal Entry Modular, Through Hole, pitch 5mm, 2p", Manufacturer="Wurth Elektronik", Operating Temperature Max=105°C, Operating Temperature Min=-40°C, Rated Current=16A, Working Voltage=250V, Application="Pressure Clamp", Category="Terminal Blocks", ComponentLink1Description="Manufacturer Link", ComponentLink1URL=https://www.we-online.com/redexpert/article/691101710002?ad, ComponentLink2Description=Datasheet, ComponentLink2URL=https://www.we-online.com/redexpert/spec/691101710002?ad, Manufacturer Part Number=691101710002, Match Code=WR-TBL, Modularity=Yes, Mount="Through Hole", Orientation=Horizontal, Packaging=Box, PCB/Cable/Panel=PCB, Pin Number=2, Pitch=5mm
J2 J4 J5: "WR-TBL Series 101 Horizontal Entry Modular, Through Hole, pitch 5mm, 2p", Manufacturer="Wurth Elektronik", Operating Temperature Max=105°C, Operating Temperature Min=-40°C, Rated Current=16A, Working Voltage=250V, Application="Pressure Clamp", Category="Terminal Blocks", ComponentLink1Description="Manufacturer Link", ComponentLink1URL=https://www.we-online.com/redexpert/article/691101710002?ad, ComponentLink2Description=Datasheet, ComponentLink2URL=https://www.we-online.com/redexpert/spec/691101710002?ad, Manufacturer Part Number=691101710002, Match Code=WR-TBL, Modularity=Yes, Mount="Through Hole", Orientation=Horizontal, Packaging=Box, PCB/Cable/Panel=PCB, Pin Number=2, Pitch=5mm
L1 L2 L3: "SMD-Power Inductor WE-PD4, L = 100 µH", Inductance="100 ÂµH", ComponentLink1Description="Manufacturer Link", ComponentLink1URL=http://www.we-online.com, ComponentLink2Description=Datasheet, ComponentLink2URL=http://www.we-online.de/katalog/media/pdf/7445720.pdf, DatasheetVersion="ver 1, Oct-2004", PackageDescription="SMD Inductor, 2-Leads, Body 22.0 x 15.0 mm", PackageReference=WE-PD4-XL, PackageVersion=2004, PartNumber=7445720
P1 P2 P3 P4 P5 P6 P9 P10 P11 P12 P13 P14: "WR-WTB THT Male Vertical Locking Header, pitch 2.54mm, 3p", Contact Resistance=20mOhm, Operating Temperature="-40 to +105degC", Rated Current=3A, Withstanding Voltage=1000VAC, Working Voltage=250VAC, ComponentLink1Description=Manufacturer, ComponentLink1URL=http://www.we-online.de, ComponentLink2Description=Datasheet, ComponentLink2URL=https://www.we-online.com/catalog/datasheet/61900311121.pdf, Gender=Male, Mounting Technology=THT, Packaging=Bag, Part Number=61900311121, Pin Number=3, Pitch=2.54mm, Published Date="January 2020", Publisher="Wurth Elektronik", Type=Vertical
P7 P8: "WR-WTB THT Male Vertical Locking Header, pitch 2.54mm, 8p", Contact Resistance=20mOhm, Operating Temperature="-40 to +105degC", Rated Current=3A, Withstanding Voltage=1000VAC, Working Voltage=250VAC, ComponentLink1Description=Manufacturer, ComponentLink1URL=http://www.we-online.de, ComponentLink2Description=Datasheet, ComponentLink2URL=https://www.we-online.com/catalog/datasheet/61900811121.pdf, Gender=Male, Mounting Technology=THT, Packaging=Bag, Part Number=61900811121, Pin Number=8, Pitch=2.54mm, Published Date="January 2020", Publisher="Wurth Elektronik", Type=Vertical
Q2 Q4 Q6: "Transistor BJT NPN", Manufacturer_Name=Nexperia, Mouser Part Number=771-BC847B-T/R, Arrow Part Number=BC847B,215, Arrow Price/Stock=https://www.arrow.com/en/products/bc847b215/nexperia?region=nac, Datasheet Link=https://assets.nexperia.com/documents/data-sheet/BC847_SER.pdf, Height=1.1mm, Manufacturer_Part_Number=BC847B,215, Mouser Price/Stock=https://www.mouser.co.uk/ProductDetail/Nexperia/BC847B215?qs=me8TqzrmIYXXIdUoxWnHgw%3D%3D
R1 R4 R5 R6 R9 R12 R13 R14 R15 R17 R19 R21 R27 R28 R31 R32 R36 R39 R40 R41 R42 R44 R48 R54 R55 R58 R59 R62 R65 R66 R67 R68 R70 R74 R92 R93 R94 R119 R120 R121 R122 R123 R124: library part CRCW08050000Z0EA
R2 R16 R29 R43 R56 R69: library part CRCW08050000Z0EA, "9.1k"
R3 R8 R10 R11 R18 R23 R25 R30 R33 R35 R37 R38 R45 R46 R50 R52 R57 R61 R63 R64 R71 R72 R76 R78 R101 R102 R103 R104 R105 R106 R107 R108 R109 R110 R111 R112 R113 R114 R115 R116 R117 R118: library part CRCW08050000Z0EA, "10k"
R7 R20 R26 R34 R47 R53 R60 R73 R79 R83 R84 R85 R88 R97 R100: library part CRCW08050000Z0EA, "1k"
R22 R49 R75: library part CRCW08050000Z0EA, "51k"
R24 R51 R77 R80 R81 R82 R86 R89 R90 R91 R95 R98: library part CRCW08050000Z0EA, "7.5k"
R87 R96 R99: library part TUW5JR10E, "No Description Available", Mfr_Name=Ohmite, Copyright="Copyright (C) 2022 Ultra Librarian. All rights reserved.", Manufacturer_Part_Number=TUW5JR10E, RefDes=RefDes, Type=DEV
RG1: "REG IC REG LINEAR 5V 1A TO220AB", Current-Output=1A, Digikey Part Number=LM7805CT-ND, Manufacturer=Fairchild, Mouser Part Number=512-LM7805CT, Package=TO220, Part Number=LM7805CT, Temperature="-40°C to +125°C", Temperature Range High=+125°C, Temperature Range Low=-40°C, Voltage - Input (Max)=35V, Voltage - Output=5V, Voltage Dropout (Max)="2V @ 1A (Typ)", ComponentLink1Description=Upverter, ComponentLink1URL=https://upverter.com/upn/revision/b27a7358b7dd93a3/, ComponentLink2Description=Datasheet, ComponentLink2URL=https://www.fairchildsemi.com/datasheets/LM/LM7805.pdf, Digikey Description="REG IC REG LINEAR 5V 1A TO220AB", helpURL=https://upverter.com/upn/revision/b27a7358b7dd93a3/, Ipc Land Pattern Name=TO-220, Lead Free=yes, Price=0.384521982769, RoHS=TRUE, Supplier 1=Digi-Key, Supplier 2=Mouser, Supplier Part Number 1=LM7805CT-ND, Supplier Part Number 2=512-LM7805CT
RP1 RP2 RP3 RP4 RP5 RP6 RP7 RP8 RP9 RP10 RP11 RP12 RP13: library part 3296W-1-202LF
TP1 TP2 TP3 TP4 TP5 TP6 TP7 TP8 TP9 TP10 TP11 TP12 TP13 TP14 TP15 TP16 TP17 TP18 TP19 TP20 TP21 TP22 TP23 TP24 TP25 TP26 TP27 TP28 TP29 TP30 TP31 TP32 TP33 TP34 TP35 TP36 TP37 TP38 TP39 TP40 TP41 TP42 TP43 TP44 TP45 TP46 TP47 TP48: library part TP_PCB?, "Test_Point"
U1 U2 U5: "Pulse-Width-Modulation Control Circuit with Voltage Control, 45 % Duty Cycle, -40 to +85 degC, 16-pin SOIC (D), Green (RoHS & no Sb/Br)", Frequency(Max)(kHz)=300, Manufacturer="Texas Instruments", Rating=Military, Code_JEDEC=MS-012AC, ComponentLink1Description=Datasheet, ComponentLink1URL=http://www.ti.com/general/docs/lit/getliterature.tsp?genericPartNumber=TL494&fileType=pdf, Control Method=Voltage, DatasheetVersion=SLVS074E, Duty Cycle(Max)(%)=45, Eco-Plan="Green (RoHS & no Sb/Br)", Mounting Technology="Surface Mount", PackageDescription="16-Pin Plastic Small Outline Integrated Circuit, 9.9 x 3.9 mm, Pitch 1.27 mm Pitch", PackageReference=D16, PackageVersion="revM, Jun-2011", PartNumber=TL494ID, Regulated Outputs(#)=2, SubFamily="PWM Controller", Topology="Boost, Buck, Flyback, Forward, Full-Bridge, Half-Bridge, Push-Pull"
U4: library part LM2576D2T-005G
U6 U7 U8 U9 U10 U11: "IC VREF SHUNT ADJ SOT23-3", Current - Cathode=600µA, Current - Output=100mA, Digikey Part Number=1727-4259-1-ND, Manufacturer=Nexperia, Mouser Part Number=771-TL431AQDBZR215, Operating Temperature="-40°C ~ 125°C", Package="TO-236-3, SC-59, SOT-23-3", Part Number=TL431AQDBZR,215, Standard Package=1, Temperature="-40°C to +125°C", Temperature Range High=+125°C, Temperature Range Low=-40°C, Tolerance=±1%, Voltage - Input="2.495 V ~ 36 V", ComponentLink1Description=Upverter, ComponentLink1URL=https://upverter.com/upn/revision/897efb4cb52176e6/, ComponentLink2Description=Datasheet, ComponentLink2URL=http://assets.nexperia.com/documents/data-sheet/TL431_FAM.pdf, Digikey Description="IC VREF SHUNT ADJ SOT23-3", helpURL=https://upverter.com/upn/revision/897efb4cb52176e6/, Lead Free=yes, Mounting Type="Surface Mount", Number of Channels=1, Other Names=568-4890-6, Packaging=Digi-Reel®, Price=0.155797334872, Reference Type="Shunt, Adjustable, Precision", RoHS=TRUE, Supplier 1=Digi-Key, Supplier 2=Mouser, Supplier Part Number 1=1727-4259-1-ND, Supplier Part Number 2=771-TL431AQDBZR215, Voltage - Output="2.495 V ~ 36 V"
Z1: "Zener Diode", Manufacturer_Name=onsemi, Mouser Part Number=863-MM3Z5V1ST1G, Arrow Part Number=MM3Z5V1ST1G, Arrow Price/Stock=https://www.arrow.com/en/products/mm3z5v1st1g/on-semiconductor?region=nac, Datasheet Link=http://www.onsemi.com/pub/Collateral/MM3Z2V4ST1-D.PDF, Height=1.1mm, Manufacturer_Part_Number=MM3Z5V1ST1G, Mouser Price/Stock=https://www.mouser.co.uk/ProductDetail/onsemi/MM3Z5V1ST1G?qs=HVbQlW5zcXXFXX%2FQxsNWFg%3D%3D